# Altium PCB LimeKEY-RPCM_1v1.PcbDoc (part 4 of 8) (continued)
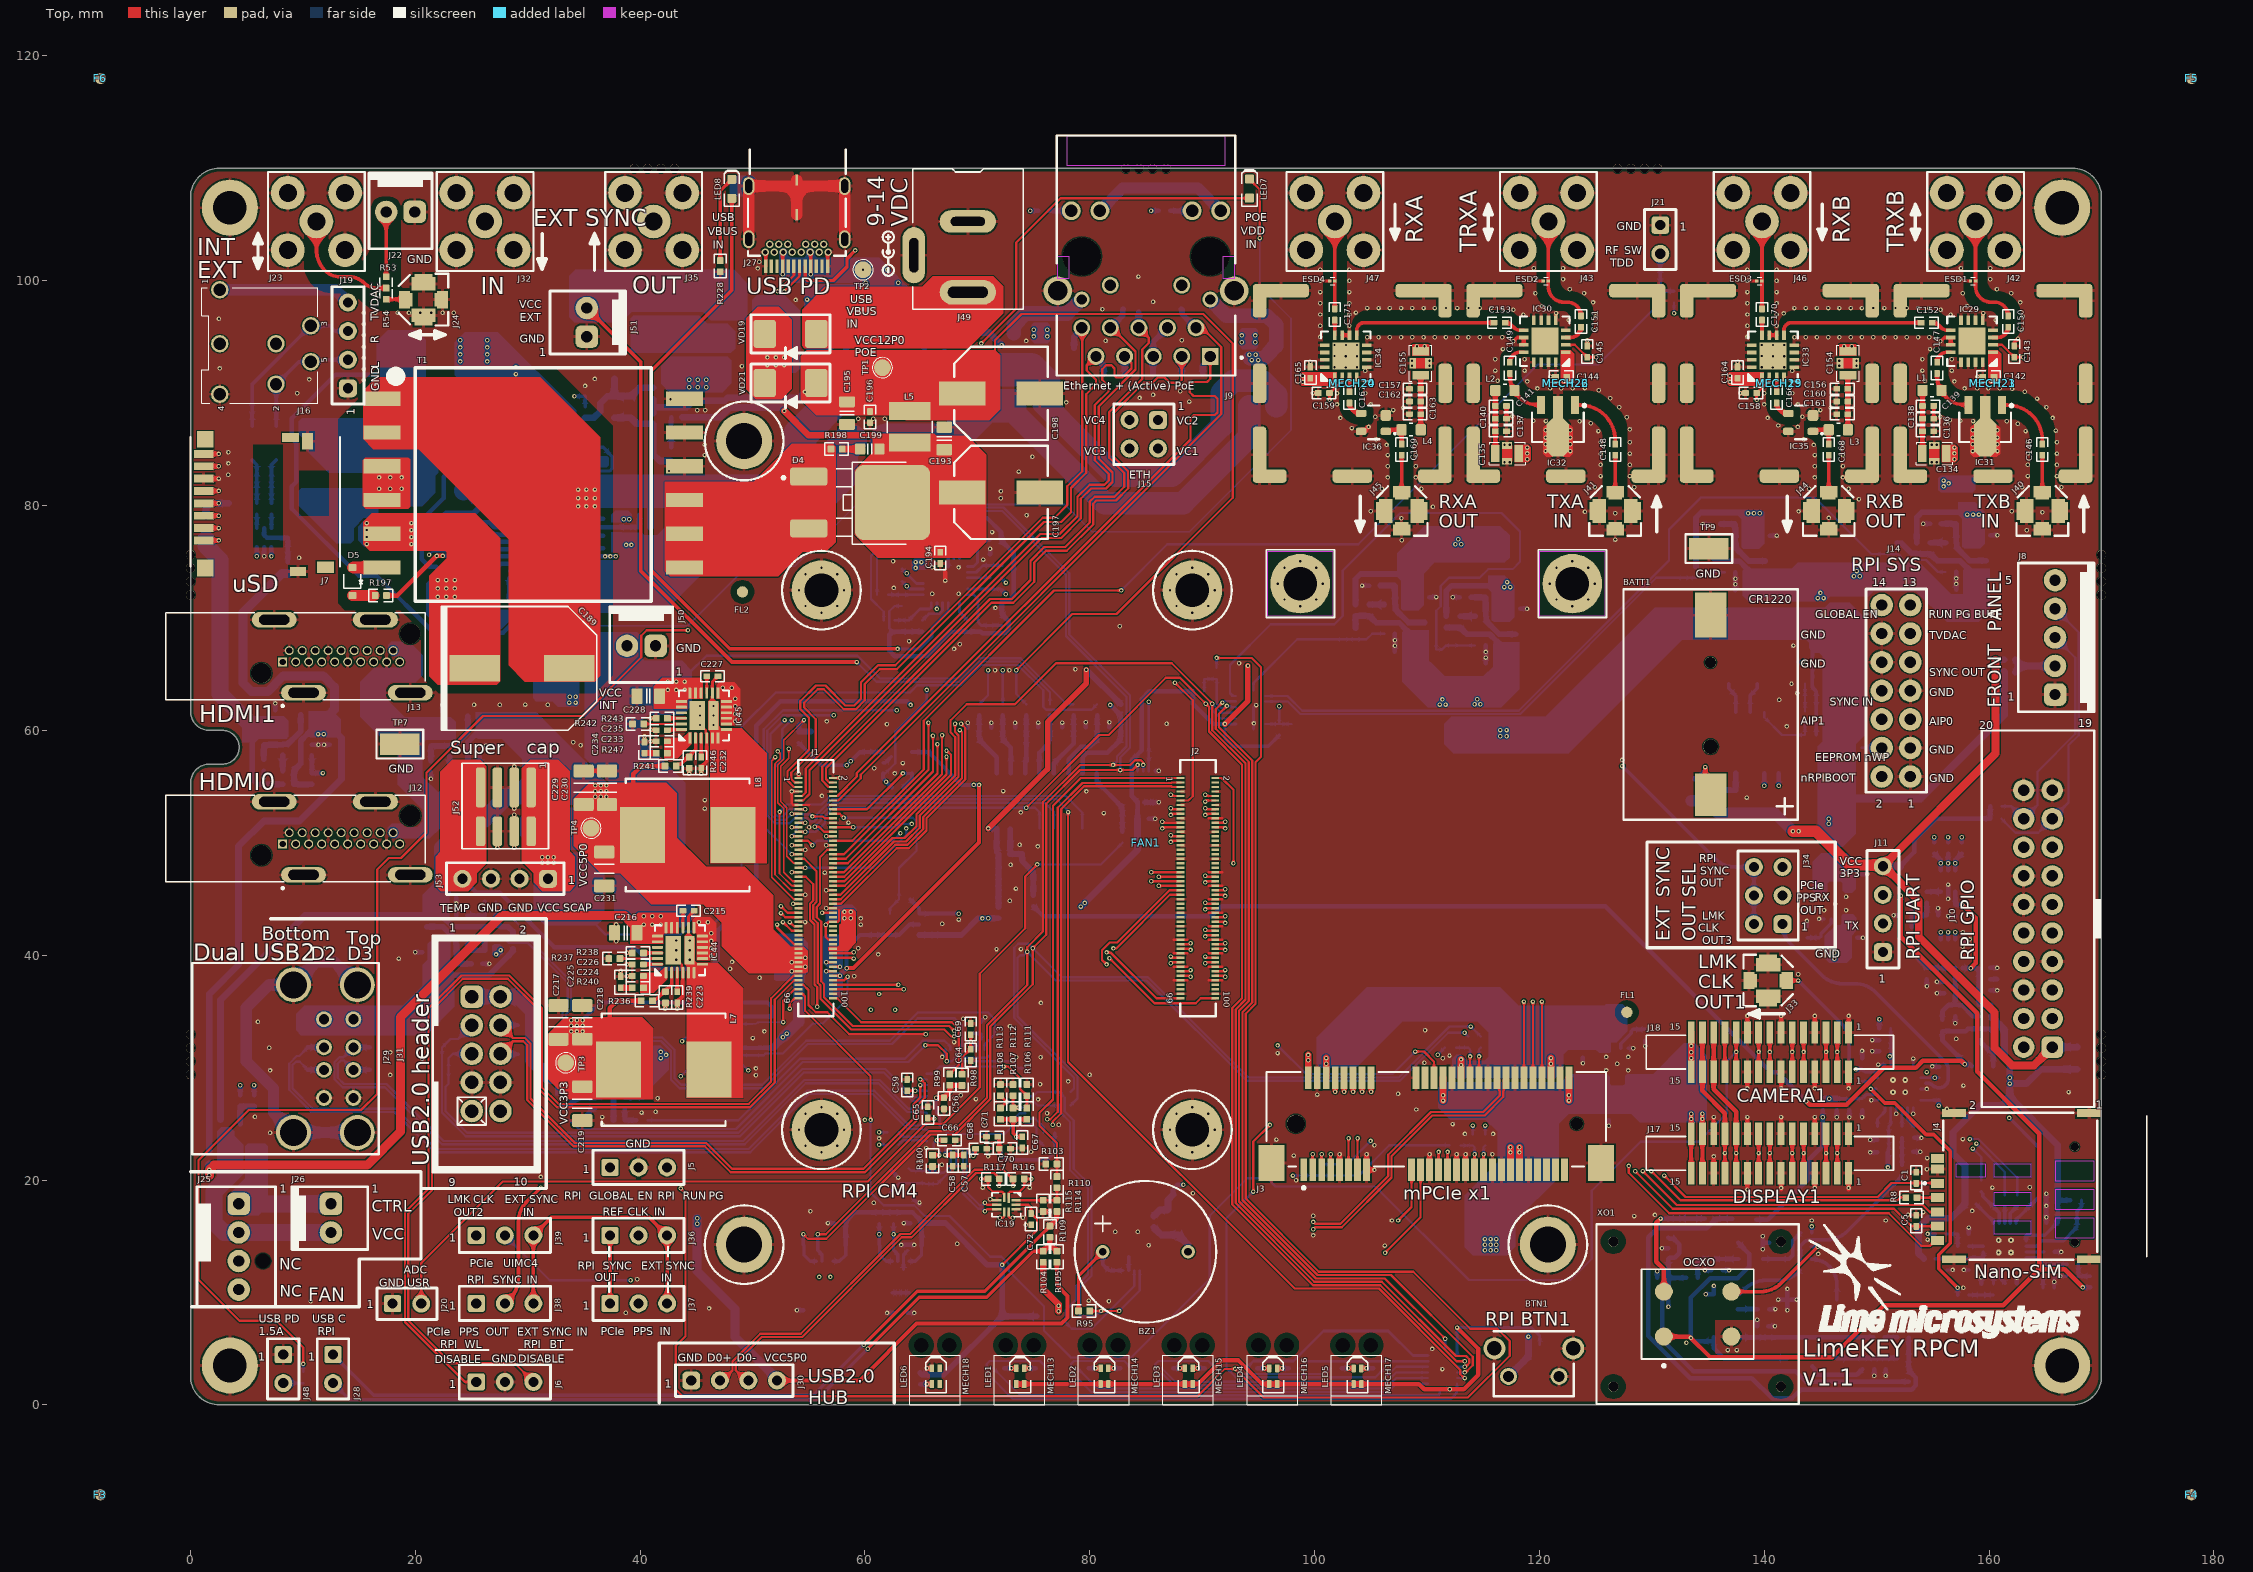
[diagram p0: Top view]
## Nets (pads, with @x,y where several pads share a name; then routed paths per layer and width w, separated by ;. In a path a pad name is that pad's centre, name@x,y a point inside that pad or via, vN(x,y) a via of type N, cw(c..) or ccw(c..) an arc to the next point about the centre after c; other vN are vias at no path point) (continued)
  L4 w0.1: v1(52.225,99.05) 52.225,99.041 52.425,98.841 52.425,96.75 53.55,95.625 53.55,88.167 52.55,87.167 52.55,64.175 46.8,58.425 37.492,58.425 34.475,55.408 34.475,40.5 30.15,36.175 30.15,19.125 31,18.275 31.8,18.275 36.2,13.875 44.558,13.875 49.408,18.725 71.6,18.725 72.475,17.85 72.475,17.125 v1(72,16.65)
EXT_USB_D_P: IC19.7 J27.A6 J27.B6 | length 153
  Top w0.2: v1(52.825,99.05) 54.175,100.4 J27.A6@54.175,101.295 ; IC19.7@72.775,17.15 72.785,17.14 72.785,16.74 72.875,16.65 v1(73.15,16.65)
  L3 w0.2: v1(52.825,99.05) 52.6,99.275 52.6,99.75 52.806,99.956 53.756,99.956 53.975,100.175 53.975,101.25 53.775,101.45 53.35,101.45 53.15,101.65 53.15,102.17 J27.B6@53.525,102.545
  L4 w0.1: v1(52.825,99.05) 52.825,99.041 52.625,98.841 52.625,96.833 53.75,95.708 53.75,88.084 52.75,87.084 52.75,64.092 46.883,58.225 37.575,58.225 34.675,55.325 34.675,40.417 30.35,36.092 30.35,19.208 31.083,18.475 31.883,18.475 36.283,14.075 44.475,14.075 49.325,18.925 71.4,18.925 71.683,18.925 72.675,17.933 72.675,17.125 v1(73.15,16.65)
FAN_CTRL: IC15.7 R70.2 R73.1 R75.1 | length 175
  L3 w0.1: v1(5.65,28.425) 2.8,31.275 2.8,53.9 5.75,56.85 5.75,59.875 1.975,63.65 1.975,76.883 1.425,77.433 1.425,84.4 2.425,85.4 3.675,85.4 14.45,74.625 16.892,74.625 22.442,69.075 41.967,69.075 44.767,66.275 46.17,66.275 49.55,62.895 49.55,61.325 51.85,59.025 55.758,59.025 59.508,62.775 83.925,62.775 84.525,62.175 88.95,62.175 89.6,62.825 96.175,62.825 v1(96.85,62.15)
  Bottom w0.2: IC15.7@95.614,60.57 R70.2@96.85,60.57 ; v1(96.85,62.15) R70.2@96.85,60.57 ; R75.1@97.95,60.575 97.945,60.57 R70.2@96.85,60.57
  Bottom w0.4: R73.1@5.65,27.55 v1(5.65,28.425)
GND: BATT1.NEGATIVE BTN1.2 BTN1.Shield C1.1 C2.1 C3.1 C4.1 C5.1 C6.1 C7.2 C8.2 C9.2 C10.2 C11.1 C12.2 C13.2 C14.2 C15.2 C16.2 C17.2 C18.2 C20.2 C21.2 C23.2 C24.1 C26.1 C27.2 C28.2 C29.2 C30.2 C31.2 C33.1 C34.2 C35.1 C36.2 C37.2 C38.2 C39.1 C40.1 C41.2 C42.2 C43.2 C44.2 C45.2 C46.2 C47.2 C49.2 C50.1 C51.2 C52.2 C53.1 C55.2 C56.1 C57.1 C58.2 C59.2 C60.1 C61.1 C62.1 C63.2 C64.1 C65.2 C66.2 C67.2 C68.2 C69.2 C70.2 C71.1 C72.2 C73.2 C74.2 C75.2 C76.1 C78.1 C79.2 C80.1 C81.2 C82.1 C84.1 C85.1 C86.2 C89.1 C90.1 C91.1 C92.1 C93.1 C94.1 C95.1 C96.1 C97.1 C98.1 C99.1 C100.1 C101.1 C102.1 C103.1 C104.1 C105.1 C106.1 C107.1 C108.1 C109.1 C110.1 C111.2 C112.2 C115.1 C116.2 C117.2 C118.1 C119.2 C120.2 C121.1 C122.2 C123.2 C126.1 C127.2 C128.1 C130.1 C131.2 C132.2 C133.2 C134.2 C135.2 C136.1 C137.1 C138.2 C139.1 C140.2 C141.1 C142.2 C143.1 C144.2 C145.1 C154.2 C155.2 C156.1 C157.1 C158.2 C159.2 C160.2 C161.1 C162.2 C163.1 C164.2 C165.2 C172.2 C173.2 C174.2 C175.2 C176.2 C177.2 C178.2 C179.2 C184.1 C185.1 C186.2 C187.2 C193.1 C194.2 C195.1 C196.2 C197.2 C198.2 C203.1 C207.1 C208.1 C209.1 C210.1 C211.2 C212.2 C213.2 C214.2 C216.1 C217.1 C218.1 C219.1 C220.1 C221.2 C222.2 C223.2 C224.2 C225.2 C226.2 C228.1 C229.1 C230.1 C231.1 C232.2 C233.2 C234.2 C235.1 C236.1 C237.1 C238.1 C239.1 C240.1 C241.1 D8.5 D8.6 ESD1.2 ESD2.2 ESD3.2 ESD4.2 FAN1.1 IC1.2 IC2.3 IC3.2 IC3.5 IC4.3 IC5.2 IC6.2 IC7.2 IC8.9 IC8.14 IC9.4 IC9.5 IC9.6 IC9.7 IC10.1 IC10.2 IC10.3 IC10.4 IC10.7 IC11.1 IC11.2 IC11.3 IC11.4 IC11.7 IC11.PAD IC12.8 IC12.PAD IC13.4 IC14.4 IC15.8 IC15.PAD IC16.4 IC17.3 IC18.19 IC18.PAD IC19.3 IC19.8 IC20.1 IC20.2 IC20.3 IC20.4 IC20.7 IC21.1 IC21.2 IC21.3 IC21.4 IC21.7 IC21.PAD IC22.2 IC23.2 IC24.1 IC24.7 IC24.11 IC24.12 IC24.16 IC24.19 IC24.22 IC24.25 IC25.2 IC26.8 IC27.1 IC27.2 IC27.3 IC27.9 IC27.10 IC27.21 IC28.5 IC29.4 IC29.5 IC29.6 IC29.7 IC29.8 IC29.10 IC29.11 IC29.13 IC29.14 IC29.15 IC29.16 IC30.4 IC30.5 IC30.6 IC30.7 IC30.8 IC30.10 IC30.11 IC30.13 IC30.14 IC30.15 IC30.16 IC31.2 IC31.4 IC32.2 IC32.4 IC33.4 IC33.5 IC33.6 IC33.7 IC33.8 IC33.10 IC33.11 IC33.13 IC33.14 IC33.15 IC33.16 IC34.4 IC34.5 IC34.6 IC34.7 IC34.8 IC34.10 IC34.11 IC34.13 IC34.14 IC34.15 IC34.16 IC35.2 IC35.4 IC36.2 IC36.4 IC37.2 IC38.2 IC39.2 IC40.2 IC43.19 IC43.22 IC43.25 IC44.4 IC44.8 IC44.9 IC44.10 IC44.11 IC44.12 IC44.13 IC44.25 IC45.4 IC45.8 IC45.9 IC45.10 IC45.11 IC45.12 IC45.13 IC45.25 IC46.4 IC46.9 IC47.3 IC48.4 IC48.9 J1.1 J1.2 J1.7 J1.8 J1.13 J1.14 J1.22 J1.23 J1.32 J1.33 J1.42 J1.43 J1.52 J1.53 J1.59 J1.60 J1.65 J1.66 J1.71 J1.74 J1.98 J2.7 J2.8 J2.13 J2.14 J2.19 J2.20 J2.25 J2.26 J2.31 J2.32 J2.37 J2.38 J2.44 J2.50 J2.55 J2.56 J2.61 J2.62 J2.67 J2.68 J2.73 J2.74 J2.79 J2.80 J2.85 J2.86 J2.91 J2.92 J2.97 J2.98 J3.4 J3.9 J3.15 J3.18 J3.21 J3.26 J3.27 J3.29 J3.34 J3.35 J3.37 J3.40 J3.43 J3.50 J3.53 J3.54 J4.C5 J4.G1 J4.G2 J4.G3 J4.G4 J5.2 J6.2 J7.6 J7.12 J7.13 J8.1 J9.S1 J9.S2 J10.6 J10.7 J10.12 J10.14 J10.19 J10.20 J11.1 J12.2 J12.5 J12.8 J12.11 J12.17 J12.S1 J12.S2 J12.S3 J12.S4 J13.2 J13.5 J13.8 J13.11 J13.17 J13.S1 J13.S2 J13.S3 J13.S4 J14.1 J14.3 J14.7 J14.10 J14.12 J16.4 J17.1 J17.4 J17.7 J17.10 J17.13 J18.1 J18.4 J18.7 J18.10 J19.1 J20.1 J21.1 J22.1 J23.2 J24.2 J27.A1 J27.A12 J27.B1 J27.B12 J27.GND J27.GND1 J27.Shell J29.B4 J29.SHIELD J29.T4 J30.1 J31.7 J31.8 J32.2 J33.2 J35.2 J40.2 J41.2 J42.2 J43.2 J44.2 J45.2 J46.2 J47.2 J48.1 J49.2 J49.3 J50.1 J51.1 J52.2 J52.3 J53.2 J53.3 LED6.3 MECH19.1 MECH20.1 MECH21.1 MECH22.1 MECH30.MH1 MECH31.MH1 MECH32.MH1 MECH33.MH1 pad.1 R25.1 R28.1 R30.1 R31.2 R32.2 R33.1 R39.1 R43.2 R50.2 R51.2 R52.2 R61.1 R62.1 R63.1 R64.1 R65.1 R66.1 R72.1 R75.2 R85.2 R93.2 R100.2 R103.2 R111.1 R112.2 R113.1 R115.2 R124.1 R130.1 R136.1 R150.1 R156.1 R158.2 R159.2 R160.2 R161.1 R166.2 R184.2 R185.2 R186.2 R187.2 R192.1 R193.1 R194.1 R195.1 R211.2 R223.2 R225.1 R226.1 R227.1 R228.2 R237.2 R238.2 R239.1 R242.2 R243.2 R246.1 R251.2 R252.2 R254.2 T1.10 T1.11 T1.12 TP7.1 TP8.1 TP9.1 TP10.1 VD1.K VD2.K VD3.K VD4.K VD5.K VD6.K VD7.K VD8.K VD10.K VD11.K VD12.K VD13.K VD14.K VD15.K VD16.K VD17.K VD22.A VT1.S VT2.S XO1.2 XO2.2 XO3.2 XO4.4 XO5.2 XT2.2 XT2.4 | length 316.4
  Top w0.15: 57.69,43.065 57.69,44.025
  Top w0.2: IC44.25@42.95,40.45 43.075,40.325 43.55,39.85 43.55,39.3 43.7,39.15 43.7,38.925 IC44.4@43.8,38.825 ; IC45.25@45.075,61.325 45.2,61.2 45.675,60.725 45.675,60.175 45.825,60.025 45.825,59.8 IC45.4@45.925,59.7 ; v1(53.475,47.375) J1.43@54.085,47.375 ; v1(53.475,51.375) J1.23@54.085,51.375 ; J1.53@54.085,45.375 v1(54.695,45.375) ; J1.33@54.085,49.375 v1(54.695,49.375) ; J1.7@54.085,54.575 v1(53.475,54.575) 53.475,53.525 53.625,53.375 55.075,53.375 ; J1.1@54.085,55.775 54.1,55.775 v1(54.1,56.125) ; v1(56.555,44.175) J1.60@57.165,44.175 ; v1(56.555,45.775) J1.52@57.165,45.775 ; v1(56.555,49.775) J1.32@57.165,49.775 ; J1.74@57.165,41.375 56.75,41.375 56.5,41.625 v1(56.5,42.7) 56.775,42.975 57.575,42.975 57.665,43.065 ; J1.2@57.165,55.775 v1(57.775,55.775) ; v1(71.15,18.3) 71.25,18.2 IC19.3@71.725,18.2 ; 87.475,37.775 88.695,37.775 ; 87.475,38.975 88.695,38.975 ; 87.475,40.175 88.695,40.175 ; 87.475,41.375 88.695,41.375 ; 90.555,37.775 91.775,37.775 ; 90.555,38.975 91.775,38.975 ; 90.555,40.175 91.775,40.175 ; 90.555,41.375 91.775,41.375 ; 90.555,42.575 91.775,42.575 ; 90.555,43.775 91.775,43.775 ; 90.555,44.975 J2.56@91.165,44.975 91.775,44.975 ; 90.555,46.175 91.775,46.175 ; 90.555,47.375 91.775,47.375 ; 90.555,52.175 91.775,52.175
  Top w0.25: C138.2@155.075,87.738 C139.1@155.075,88.862
  Top w0.3: C229.1@34.975,56.4 C230.1@37.05,56.4 ; J27.A12@51.175,101.295 J27.B1@51.175,102.495 ; J27.A1@56.675,101.295 J27.B12@56.675,102.495 ; v1@100.5,100.125 100.65,99.975 ESD4.2@101.35,99.975 ; IC34.11@102.45,95.165 IC34.10@103.1,95.165 ; v1(109,82.5) 109.7,82.5 MECH20.1@109.85,82.35 ; C140.2@117.075,87.738 C141.1@117.075,88.862 ; v1(117.675,94.625) 118,94.95 IC30.10@118.6,94.95 IC30.11@118.6,94.3 ; v1(119.5,100.125) 119.65,99.975 ESD2.2@120.35,99.975 ; IC30.5@121.45,96.5 v1@121.45,97.15 ; C145.1@124.25,94.2 v1(124.25,94.7) ; v1(128.04,82.625) 128.74,82.625 MECH22.1@128.89,82.475 ; v1@138.5,100.125 138.65,99.975 ESD3.2@139.35,99.975 ; IC33.11@140.45,95.165 IC33.10@141.1,95.165 ; v1(147,82.5) 147.7,82.5 MECH19.1@147.85,82.35 ; v1(155.675,94.625) 156,94.95 IC29.10@156.6,94.95 IC29.11@156.6,94.3 ; v1(157.5,100.125) 157.65,99.975 ESD1.2@158.35,99.975 ; IC29.5@159.45,96.5 v1@159.45,97.125 ; C143.1@162.25,94.2 162.25,94.525 v1(162.575,94.85) ; v1(54.125,24.475) 54.418,25.182 v1(54.711,25.889) 55.418,26.182 v1(56.125,26.475) 56.832,26.182 v1(57.539,25.889) 57.832,25.182 v1(58.125,24.475) 57.832,23.768 v1(57.539,23.061) 56.832,22.768 v1(56.125,22.475) 55.418,22.768 v1(54.711,23.061) 54.418,23.768 v1(54.125,24.475) ; v1(54.125,72.475) 54.418,73.182 v1(54.711,73.889) 55.418,74.182 v1(56.125,74.475) 56.832,74.182 v1(57.539,73.889) 57.832,73.182 v1(58.125,72.475) 57.832,71.768 v1(57.539,71.061) 56.832,70.768 v1(56.125,70.475) 55.418,70.768 v1(54.711,71.061) 54.418,71.768 v1(54.125,72.475) ; v1(87.125,24.475) 87.418,23.768 v1(87.711,23.061) 88.418,22.768 v1(89.125,22.475) 89.832,22.768 v1(90.539,23.061) 90.832,23.768 v1(91.125,24.475) 90.832,25.182 v1(90.539,25.889) 89.832,26.182 v1(89.125,26.475) 88.418,26.182 v1(87.711,25.889) 87.418,25.182 v1(87.125,24.475) ; v1(87.125,72.475) 87.418,73.182 v1(87.711,73.889) 88.418,74.182 v1(89.125,74.475) 89.832,74.182 v1(90.539,73.889) 90.832,73.182 v1(91.125,72.475) 90.832,71.768 v1(90.539,71.061) 89.832,70.768 v1(89.125,70.475) 88.418,70.768 v1(87.711,71.061) 87.418,71.768 v1(87.125,72.475)
  Top w0.309: C223.2@43.3,35.75 43.3,35.869 43.804,36.374 IC44.4@43.804,38.825 ; C232.2@45.425,56.625 45.425,56.744 45.93,57.249 IC45.4@45.93,59.7
  Top w0.325: J17.13@135.5,20.625 v1(135.5,22.1) ; J17.13@135.5,24.125 v1(135.5,25.6) ; v1(138.5,19.15) J17.10@138.5,20.625 ; J17.10@138.5,24.125 v1(138.5,25.6) ; v1(138.5,28.15) J18.10@138.5,29.625 ; J18.10@138.5,33.125 v1(138.5,34.6) ; v1@141.5,19.15 J17.7@141.5,20.625 ; J17.7@141.5,24.125 v1(141.5,25.6) ; v1(141.5,28.15) J18.7@141.5,29.625 ; J18.7@141.5,33.125 v1(141.5,34.6) ; v1@144.5,19.15 J17.4@144.5,20.625 ; J17.4@144.5,24.125 v1(144.5,25.6) ; v1(144.5,28.15) J18.4@144.5,29.625 ; J18.4@144.5,33.125 v1(144.5,34.6) ; v1@147.5,19.15 J17.1@147.5,20.625 ; v1(147.5,28.15) J18.1@147.5,29.625 ; J18.1@147.5,33.125 v1(147.5,34.6)
  Top w0.4: J7.6@1.18,82.4 v1(2.5,82.4) ; v1(27.3,49.55) J52.3@27.3,51.025 ; v1(28.8,49.55) J52.2@28.8,51.025 v1(28.8,52.5) ; v1(28.8,53.05) J52.2@28.8,54.925 v1(28.8,56.8) ; v1(37.862,41.24) v1(37.862,42.74) ; C225.2@38.261,38.1 v1(38.261,38.6) ; v1(38.8,38.15) C224.2@39.3,38.15 ; v1(38.8,39.175) C226.2@39.3,39.175 ; v1(38.8,40.225) R238.2@39.3,40.225 ; C234.2@40.386,58.975 v1(40.386,59.475) ; v1(40.925,59.025) C233.2@41.425,59.025 ; v1(40.925,60.05) C235.1@41.425,60.05 ; v1(40.925,61.1) R243.2@41.425,61.1 ; v1(42.25,35.25) R239.1@42.25,35.75 ; v1(43.3,35.25) C223.2@43.3,35.75 ; v1(44.375,56.125) R246.1@44.375,56.625 ; v1(45.425,56.125) C232.2@45.425,56.625 ; v1(65.51,3.253) LED6.3@65.96,3.253 ; v1(67.15,73.325) 67.15,74.05 ; R115.2@75.85,17.2 75.875,17.175 v1(76.425,17.175) ; C165.2@99.625,92.325 v1(99.625,92.8) ; v1(99.85,90.015) C159.2@100.325,90.015 ; J3.9@102.225,20.9 v1(102.225,22.3) ; IC36.4@104.14,86.75 104.55,86.75 v1(104.8,87) ; v1(104.625,22.3) J3.15@104.625,20.9 v1(105.325,20.9) ; J3.21@110.225,20.9 v1(110.225,22.3) ; J3.27@112.625,20.9 v1(112.625,22.3) ; J3.29@113.425,20.9 v1(113.425,22.3) ; v1(120.965,91.475) C144.2@121.44,91.475 ; C164.2@137.625,92.325 v1(137.625,92.8) ; v1(137.85,90.015) C158.2@138.325,90.015 ; v1(158.965,91.475) C142.2@159.44,91.475
  Top w1: J27.Shell@49.655,103.695 49.655,105.575 49.655,106.65 J27.Shell@49.655,108.425 ; J27.Shell@53.925,105.875 53.925,108.425 ; J27.Shell@53.925,108.975 53.925,108.425 ; J27.Shell@58.195,103.695 J27.Shell@58.195,108.425 ; J27.Shell@49.655,108.425 J27.Shell@58.195,108.425 ; J27.Shell@49.655,108.425 53.925,108.425 ; 53.925,108.425 J27.Shell@58.195,108.425
  Bottom w0.25: IC15.8@94.564,60.12 94.564,62.014 v1(94.8,62.25) ; v1@149.54,27.1 IC24.1@150.075,27.1 ; v1@150.215,30.275 IC24.7@150.75,30.275 ; v1@151.75,25.89 IC24.22@151.75,26.425 ; v1(153.249,25.889) IC24.19@153.25,26.425 ; IC24.12@153.25,30.275 v1@153.25,30.81 ; IC24.16@153.925,28.1 v1@154.46,28.1
  Bottom w0.3: v1(34.15,89.725) D8.6@35.1,89.725 D8.5@35.1,88.775 ; IC3.5@61.6,57.125 61.8,57.125 61.95,57.275 61.95,57.25 62.35,57.65 ; XT2.4@62.282,20.893 v1(62.95,20.225) ; IC11.4@62.425,9.975 IC11.1@63.925,9.975 ; IC11.PAD@63.425,12.059 63.425,13.349 IC10.7@63.81,13.734 ; XT2.2@64.225,18.4 64.893,17.732 ; IC43.25@65.9,74.575 IC43.19@65.9,75.291 ; v1(66.875,30.95) 67.125,31.2 IC18.19@67.125,31.575 ; IC43.25@67.4,74.575 IC43.22@67.4,75.291 ; C62.1@70.35,34.025 70.35,34.125 v1(70.7,34.475) ; IC21.7@83.45,11.95 IC21.PAD@83.45,13.175 ; IC48.4@127.9,31.725 v1(128.35,31.725) ; v1(144.875,43.225) IC46.4@145.325,43.225 ; C110.1@156.25,12 v1(156.75,12) ; v1(157.75,12) C111.2@158.25,12 ; C130.1@165.776,11.45 v1(166.325,11.45) C128.1@166.874,11.45 ; R161.1@165.799,10.4 v1(165.8,10.95) C130.1@165.799,11.498
  Bottom w0.4: v1(6.51,55.796) R25.1@6.51,56.423 ; v1(6.55,75.5) IC6.2@6.55,76.275 ; C18.2@7.535,61.773 v1(7.535,62.4) ; IC5.2@10.8,58.725 C17.2@12.385,58.725 ; v1(19.983,40.265) C75.2@20.61,40.265 ; v1(21.385,55.696) R39.1@21.385,56.323 ; C29.2@22.41,61.673 v1(22.41,62.3) ; IC22.2@23.658,43.53 C74.2@23.658,45.115 ; IC7.2@25.675,58.625 C28.2@27.26,58.625 ; R124.1@25.96,39.24 v1(26.587,39.24) ; IC23.2@38.625,27.337 C79.2@40.21,27.337 ; v1(53.945,8.425) IC13.4@54.52,8.425 ; v1(56.7,16.175) C49.2@57.275,16.175 ; v1(61.965,8.175) IC10.3@62.54,8.175 ; v1(63.235,14.225) IC10.7@63.81,14.225 v1(64.385,14.225) ; v1(63.45,16.175) C41.2@64.025,16.175 ; IC10.2@63.81,8.175 v1(64.385,8.175) ; v1(69.15,60.675) R61.1@69.151,60.235 R61.1@69.151,60.235 ; R225.1@71.116,75.67 71.125,75.679 v1(71.125,76.15) ; R62.1@71.251,60.235 v1(71.25,60.675) ; R63.1@73.35,60.236 v1(73.35,60.675) ; R64.1@75.425,60.261 v1(75.425,60.7) ; R65.1@77.55,60.261 v1(77.55,60.7) ; R66.1@79.65,60.286 v1(79.65,60.725) ; R51.2@81.75,60.286 v1(81.75,60.725) ; IC9.7@84.85,53.6 v1(86.125,53.6) ; C34.2@85.25,52.149 v1(85.825,52.149) ; IC9.4@85.85,56.4 v1(86.125,56.4) ; v1(104.221,72.89) R195.1@104.848,72.89 ; C175.2@107.15,67.015 IC40.2@107.15,68.6 ; C179.2@110.198,71.865 v1(110.825,71.865) ; v1(112.298,71.85) R194.1@112.925,71.85 ; C174.2@115.227,65.975 IC39.2@115.227,67.56 ; C178.2@118.275,70.825 v1(118.902,70.825) ; v1(123.875,30.4) C241.1@123.875,30.9 ; v1(126.175,24.825) C240.1@126.175,25.325 ; v1(129.425,31.9) R254.2@129.425,32.4 ; C105.1@130.475,11.3 v1(130.475,11.875) ; v1(130.9,13.925) IC25.2@131.475,13.925 ; v1(131.475,8.725) C107.1@131.475,9.3 ; v1(134.508,78.363) R193.1@135.135,78.363 ; v1(134.725,11.975) C108.1@135.3,11.975 ; v1(134.8,9.85) XO4.4@135.525,9.85 v1(135.525,10.575) ; C106.1@136.3,11.975 v1(136.875,11.975) ; C173.2@137.437,72.488 IC38.2@137.437,74.072 ; C97.1@139.375,7 v1(139.375,7.575) ; v1(139.875,13.85) XO5.2@139.875,14.425 ; v1(139.875,15) XO5.2@139.875,14.425 ; C96.1@140.375,7 v1(140.95,7) ; C98.1@140.425,8.525 v1(141,8.525) ; 140.45,14.425 XO5.2@139.875,14.425 ; C177.2@140.485,77.338 v1(141.112,77.338) ; v1(141.239,9.365) XO2.2@142.064,9.365 ; v1(142.064,8.415) XO2.2@142.064,9.365 ; v1(142.064,10.315) XO2.2@142.064,9.365 ; v1(142.889,9.365) XO2.2@142.064,9.365 ; R252.2@143.8,42.55 v1(143.8,43.05) ; v1(146.449,25.589) C99.1@146.45,26.225 ; v1(147.574,25.589) C100.1@147.575,26.225 ; C238.1@148.275,41.55 v1(148.775,41.55) ; C237.1@148.65,47.225 v1(149.15,47.225) ; v1(148.699,25.589) C102.1@148.7,26.225 ; C104.1@148.7,30.85 v1(148.701,31.486) ; v1(149.439,22.451) C93.1@150.075,22.45 ; v1(149.439,23.576) C94.1@150.075,23.575 ; v1@149.614,31.45 C95.1@150.25,31.45 ; v1(149.614,32.451) C92.1@150.25,32.45 ; v1(149.79,2.59) C90.1@149.79,3.165 ; v1(150.79,2.59) C91.1@150.79,3.165 ; v1(151.504,43.55) C118.1@152.14,43.549 ; R136.1@153.25,22.525 v1(153.886,22.524) ; C89.1@153.35,23.75 v1@153.986,23.75 ; v1(154.146,78.39) R192.1@154.773,78.39 ; v1(154.473,37.239) C122.2@154.474,37.874 ; v1(154.939,30.101) C101.1@155.575,30.1 ; v1@155.363,36.624 C126.1@155.999,36.624 ; v1(155.364,37.63) C127.2@155.999,37.63 ; R166.2@155.465,43.549 v1(155.464,44.185) ; v1(156.348,45.014) IC28.5@156.349,45.649 v1(156.348,46.285) ; v1@156.366,43.488 C133.2@157.001,43.488 ; v1(156.999,33.939) R158.2@156.999,34.575 ; C172.2@157.075,72.515 IC37.2@157.075,74.1 ; v1(157.648,40.764) IC26.8@157.649,41.399 ; v1(157.649,42.035) IC26.8@157.649,41.399 ; R156.1@158.2,15.2 v1(158.2,15.775) ; v1(158.284,41.399) IC26.8@157.649,41.399 ; R150.1@159.3,10.775 v1(159.3,11.35) ; C115.1@160.098,36.864 v1(160.734,36.864) ; C116.2@160.098,37.864 160.734,37.864 ; C117.2@160.098,38.864 v1(160.734,38.864) ; C176.2@160.123,77.365 v1(160.75,77.365) ; C131.2@162.45,10.825 v1(162.45,11.3) ; C119.2@165.1,16.2 C109.1@165.1,18.2 v1(165.1,18.775) ; R160.2@165.849,13.6 v1(166.424,13.6)
  Bottom w1: J29.SHIELD@14.84,24.23 J29.SHIELD@9.16,24.23 7.375,26.015 7.375,28.15 4.95,30.575 4.95,35.325 6.995,37.37 J29.SHIELD@9.16,37.37 11.19,39.4 12.81,39.4 J29.SHIELD@14.84,37.37
  other v1: 111.375,3.184 136.75,4.875 137.55,4.875 110.475,4.975 133.075,5.525 30.15,5.6 38.725,8.2 46.125,8.575 10.675,9.2 81.7,9.225 79.9,9.275 157.725,10.425 39.75,11.175 144.8,13.425 106.25,14.175 85.225,14.2 68.2,14.325 154.525,14.7 99.875,15.075 82.275,15.4 84.275,15.4 74.3,16 106.875,16.4 144.225,16.4 150.8,16.4 74.05,16.65 165.1,16.7 128.425,16.8 99.875,16.825 130.275,16.9 152.8,16.925 154.15,17.15 55.15,17.225 158.5,17.25 165.1,17.7 60.775,17.975 64.85,18 89.175,18.825 141.5,19.3 144.5,19.3 147.5,19.3 74.65,19.325 160.3,19.325 70.475,19.331 163.625,19.35 98.35,19.975 31.15,20.275 154.475,20.95 66.825,21.35 65,21.675 154.5,21.95 70.95,22.1 98.15,22.175 115.825,22.3 74.775,22.525 65.45,22.85 105.325,23.1 96.6,23.6 157.65,23.65 61.25,23.7 153.986,23.749 113.375,24.1 115.875,24.1 7.075,24.2 77.238,24.922 36.625,24.95 112.275,24.975 70.65,25.15 36.625,25.6 5.725,25.625 151.749,25.889 76.2,25.95 40.125,26 41.375,26.075 109.05,26.275 156.25,26.325 149.539,27.101 75.4,27.175 69.875,27.2 41.55,27.275 68.525,27.55 100.225,27.6 107.425,27.675 167.075,27.825 154.461,28.101 157.725,28.4 75.575,28.525 78.075,28.775 50.3,29.325 17.775,29.35 79.975,29.375 7.075,29.75 125.95,29.75 127.9,29.75 50.3,29.925 150.139,30.274 126.925,30.35 109.775,30.425 20.6,30.775 111.4,30.825 153.249,30.811 73.475,30.925 75.625,30.925 125.95,30.95 127.9,30.95 112,31.075 96.7,31.3 17.775,31.35 149.614,31.451 7,31.775 67.925,32.275 157.075,32.575 50.025,32.625 51.05,33.225 109.825,33.325 72.9,33.7 6,34.075 68.75,34.35 75.65,35.75 155.363,36.625 50.625,38 59.05,38.125 143.025,38.3 48,38.8 48.175,39.4 18.525,39.7 46.325,39.925 61.175,40.075 71.7,40.55 73.875,40.55 11.975,40.6 46.325,40.6 59.4,40.625 46.325,41.275 46.325,41.95 59.625,42.725 66.875,42.8 45.225,42.925 46.025,42.925 54.675,42.95 68.35,43.175 59.625,43.275 156.366,43.487 145.325,44 147.275,44 23.658,44.105 146.3,44.6 23.658,44.605 72.875,44.85 145.325,45.2 147.275,45.2 73.425,45.925 56.425,47.35 72.95,48.05 75.375,49.675 73.75,49.825 55.025,51.375 58.525,51.8 81.25,52.65 73.85,52.7 45.75,53.05 45.75,53.8 138.45,54.025 56.175,54.175 79.7,54.575 72.3,54.6 62.65,56.175 60.825,56.625 63.35,57.1 127.375,57.375 26.25,58.625 26.75,58.625 34.7,58.675 11.375,58.725 11.875,58.725 34.05,58.95 142,60.35 61.95,60.55 86.825,60.6 94.6,60.625 48.45,60.8 56.6,60.8 48.45,61.475 48.45,62.15 25.225,62.275 27.5,62.275 31.775,62.275 29.775,62.3 141.325,62.725 48.45,62.825 142.95,63.3 47.35,63.8 48.15,63.8 142.425,64.15 71.575,65.35 72.85,65.35 78.725,65.45 93.275,65.975 115.227,66.485 115.227,66.985 67.925,67.25 107.15,67.525 142.6,67.55 68.425,67.675 63.925,67.925 107.15,68.025 82.675,69.275 71.6,70.9 65.975,72.15 68.325,72.15 62.55,72.675 137.437,72.998 157.075,73.025 137.437,73.498 157.075,73.525 65.975,74.5 68.325,74.5 62.5,75.05 70.525,75.2 9.65,75.35 107.75,76.925 126.75,76.975 71.3,77.65 163.35,77.8 107.725,78.875 145.75,78.9 74.375,79.15 126.75,79.325 164.75,79.4 124.05,79.45 143.05,79.475 105,79.5 162.025,79.5 110.525,79.9 148.425,80.575 72.075,80.65 72.1,81.275 106,81.5 109.5,81.5 144,81.5 147.5,81.5 124.94,81.625 128.44,81.625 162.94,81.625 166.44,81.625 106.5,82.5 144.5,82.5 125.44,82.625 163.44,82.625 166.04,82.625 3.35,82.75 73.675,83.025 42.575,83.075 106.5,83.5 109,83.5 144.5,83.5 147,83.5 125.44,83.625 128.04,83.625 163.44,83.625 166.04,83.625 3.375,83.75 116.9,83.862 117.35,83.862 154.9,83.862 155.35,83.862 74.9,84.35 45.725,84.5 106.5,84.5 109,84.5 144.5,84.5 147,84.5 125.44,84.625 128.04,84.625 163.44,84.625 166.04,84.625 3.375,84.75 120.55,84.85 122.75,84.85 158.55,84.85 160.75,84.85 106.4,85.4 116.9,85.412 117.35,85.412 144.4,85.4 154.9,85.412 155.35,85.412 45.725,85.425 120.55,85.45 122.75,85.45 158.55,85.45 160.75,85.45 109,85.5 147,85.5 125.44,85.625 128.04,85.625 163.44,85.625 166.04,85.625 105.5,85.9 143.5,85.9 120.55,86.05 122.75,86.05 158.55,86.05 160.75,86.05 125.25,86.625 163.25,86.625 165.925,86.675 120.55,86.7 122.75,86.7 158.55,86.7 160.75,86.7 128.025,86.775 103.3,86.9 142.975,87 141.25,87.125 162.55,87.275 124.575,87.325 123.575,87.5 161.575,87.5 120.575,87.525 158.575,87.525 119.45,87.55 157.45,87.55 156.525,87.6 118.4,87.625 59.4,87.725 60.725,87.725 61.75,87.725 102.3,87.8 140.3,87.8 165.65,87.8 127.775,87.85 105.4,87.9 143.4,87.9 155.675,87.9 117.6,87.95 45.075,88.475 45.8,88.475 107,88.5 145,88.5 107.9,88.7 145.925,88.725 127.1,88.75 165.1,88.75 102,89 105,89 140,89 143,89 77.9,89.175 88.85,89.25 42.7,89.45 164.275,89.525 126.3,89.55 84.425,89.575 85.625,89.85 9.5,90 102,90 104.5,90 140,90 142.5,90 163.175,90.125 88.05,90.175 49.1,90.25 125.275,90.25 162.05,90.375 119.825,90.425 120.95,90.425 121.95,90.425 122.95,90.425 157.825,90.425 158.95,90.425 159.95,90.425 160.95,90.425 124.05,90.45 35.1,90.65 104.5,91 142.5,91 118.925,91.05 156.925,91.05 116.275,91.1 154.275,91.1 15.425,91.15 10.55,91.225 35.963,91.262 104.5,92 116.075,92.013 118.675,92.013 142.5,92 154.075,92.013 156.675,92.013 15.425,92.15 2.6,92.2 49.05,92.4 108.665,92.438 110.215,92.438 146.665,92.438 148.215,92.438 108.665,92.888 110.215,92.888 146.665,92.888 148.215,92.888 116.075,93.013 118.675,93.013 154.075,93.013 156.675,93.013 15.425,93.15 116.75,93.925 154.75,93.925 15.425,94.15 74.35,94.65 81.4,94.675 88.175,94.7 104.688,94.975 105.688,94.975 106.688,94.975 107.688,94.975 108.687,94.975 109.687,94.975 110.687,94.975 111.687,94.975 112.687,94.975 113.687,94.975 114.687,94.975 115.687,94.975 116.687,94.975 142.688,94.975 143.688,94.975 144.688,94.975 145.687,94.975 146.687,94.975 147.687,94.975 148.687,94.975 149.687,94.975 150.687,94.975 151.687,94.975 152.687,94.975 153.687,94.975 154.687,94.975 100.5,95 138.5,95 15.425,95.15 124.9,95.6 162.9,95.6 100.5,96 103.1,96 138.5,96 141.1,96 15.425,96.15 122.6,96.5 160.6,96.5 2.525,96.625 125,96.825 163,96.825 118.575,96.975 156.575,96.975 100.5,97 103.1,97 138.5,97 141.1,97 141.725,97.1 121.475,97.125 159.475,97.125 15.425,97.15 16.425,97.15 17.425,97.15 18.425,97.15 19.425,97.15 20.425,97.15 21.425,97.15 22.425,97.15 23.425,97.15 103.675,97.175 117.687,97.425 155.687,97.425 81.125,97.475 104.688,97.575 105.688,97.575 106.688,97.575 107.688,97.575 108.687,97.575 109.687,97.575 110.687,97.575 111.687,97.575 112.687,97.575 113.687,97.575 114.687,97.575 115.687,97.575 116.687,97.575 142.688,97.575 143.688,97.575 144.688,97.575 145.687,97.575 146.687,97.575 147.687,97.575 148.687,97.575 149.687,97.575 150.687,97.575 151.687,97.575 152.687,97.575 153.687,97.575 154.687,97.575 120.225,97.75 158.075,97.75 100.5,98 103.1,98 138.5,98 141.1,98 124.775,98.075 162.775,98.075 85.625,98.125 53.825,98.3 119.65,98.9 123.975,98.9 157.65,98.9 161.975,98.9 100.5,99 103.1,99 138.5,99 141.1,99 122.7,99.25 160.7,99.25 100.5,100 103.1,100 138.5,100 141.1,100 122.1,100.125 160.1,100.125 84.325,100.375 100.5,101 103.1,101 138.5,101 141.1,101 50.45,101.1 119.5,101.125 122.1,101.125 157.5,101.125 160.1,101.125 50.6,101.7
  other v2: 160.85,13.55 161.95,13.55 160.85,14.65 161.95,14.65 151.45,27.8 152.55,27.8 151.45,28.9 152.55,28.9 43.2,39.6 43.2,40.45 43.2,41.3 45.325,60.475 45.325,61.325 45.325,62.175
GNDE1: C190.1 FR12.2 IC41.6 IC41.8 IC41.9 IC41.10 IC41.PAD R196.1 R199.1 R202.2 R208.2 | length 40.4
  Bottom w0.4: IC41.PAD@31.775,76.125 IC41.6@34.454,76.125
  Bottom w3: IC41.PAD@31.45,76.45 31.45,73.8 33.325,71.925 41.45,71.925 ; 41.45,71.95 47.025,77.525 52.65,77.525 57.9,82.775 57.9,85 58.7,85.8
  other v1: 38.75,76.5 39.225,76.5 38.55,78.775 39.025,78.775
GNDE2: AT1.3 C188.1 C189.2 C192.2 C200.1 C201.1 C202.2 C203.2 C205.1 IC41.7 IC41.14 IC41.19 R213.1 R214.1 T1.5 VT4.3 | length 35.6
  Bottom w0.4: C192.2@25.425,73.2 25.691,73.466 25.691,73.691 27.475,75.475 IC41.14@28.446,75.475 ; C205.1@26.75,80.6 26.75,79.55 27.575,78.725 IC41.19@28.446,78.725 ; IC41.7@34.454,75.475 v1(36.875,75.475) v1(37.825,75.475)
  Bottom w0.6: C200.1@23.625,76.4 23.15,76.4 22.225,77.325 C201.1@22.225,78.5 22.225,78.725 22.775,79.275 25.15,79.275 26.384,80.509 26.659,80.509 C205.1@26.75,80.6
  Bottom w1: VT4.3@24.125,86.9 24.125,91.514 24.711,92.1 24.9,92.1 25.2,92.4 R214.1@25.2,93.425 ; C205.1@26.75,80.6 26.75,81.125 29.75,84.125 C188.1@34.5,84.125
  other v1: 22,71.875 22.75,71.875 23.5,71.875 22,72.625 22.75,72.625 23.5,72.625 22,73.375 22.75,73.375 23.5,73.375 37.35,75.475 15.675,76.575 19.65,76.575 15.675,77.2 19.65,77.2 15.675,77.825 19.65,77.825 15.675,78.45 19.65,78.45 28.95,91.7 28.95,92.325 24,92.825 26.4,92.825 24,93.45 26.4,93.45 24,94.075 26.4,94.075 24,94.7 26.4,94.7
HDMI0_CEC: J2.51 J12.13 | length 84.4
  Top w0.2: v1(81.491,39.175) 81.091,39.575 81.091,40.441 81.775,41.125 82.45,41.125 87.1,45.775 J2.51@88.085,45.775
  L3 w0.1: J12.13@15.136,49.898 15.614,49.42 15.614,47.403 20.042,42.975 30.7,42.975 36.625,37.05 60.424,37.05 62.274,38.9 81.216,38.9 v1(81.491,39.175) v1@81.5,39.175
HDMI0_CLK_N: J2.90 J12.12 | length 90.8
  Top w0.2: J2.90@91.165,38.175 91.95,38.175 v1(92.05,38.075)
  L3 w0.1: J12.12@14.558,50.898 14.08,51.376 14.08,51.68 14.375,51.975 17.9,51.975 22.275,47.6 22.275,46.4 23.65,45.025 34.115,45.025 ccw(c34.115,45.485) 34.575,45.485 34.575,46.797 cw(c34.835,46.797) 34.835,47.057 34.915,47.057 cw(c34.915,46.797) 35.175,46.797 35.175,45.485 ccw(c35.635,45.485) 35.635,45.025 44.917,45.025 48.967,40.975 87.517,40.975 88.617,39.875 89.55,39.875 89.925,40.25 90.525,40.25 90.934,39.841 91.25,39.525 91.25,38.575 91.55,38.275 91.841,38.275 92.041,38.075 v1(92.05,38.075)
HDMI0_CLK_P: J2.88 J12.10 | length 91.1
  Top w0.2: J2.88@91.165,38.575 91.95,38.575 v1(92.05,38.675)
  L3 w0.1: J12.10@13.402,50.898 13.88,51.376 13.88,51.763 14.292,52.175 17.983,52.175 22.475,47.683 22.475,46.483 23.733,45.225 34.115,45.225 ccw(c34.115,45.485) 34.375,45.485 34.375,46.797 cw(c34.835,46.797) 34.835,47.257 34.915,47.257 cw(c34.915,46.797) 35.375,46.797 35.375,45.485 ccw(c35.635,45.485) 35.635,45.225 45,45.225 49.05,41.175 87.6,41.175 88.7,40.075 89.467,40.075 89.842,40.45 90.608,40.45 91.075,39.983 91.45,39.608 91.45,38.658 91.633,38.475 91.841,38.475 92.041,38.675 v1(92.05,38.675)
HDMI0_D0_N: J2.84 J12.9 | length 90.1
  Top w0.2: v1(90.28,39.275) 90.38,39.375 J2.84@91.165,39.375
  L3 w0.1: J12.9@12.824,49.898 12.346,49.42 12.346,48.987 18.908,42.425 30,42.425 35.875,36.55 60.267,36.55 62.392,38.675 81.542,38.675 83.292,40.425 83.767,40.425 84.017,40.675 84.523,40.675 84.748,40.45 85.311,40.45 85.536,40.675 86.042,40.675 86.292,40.425 87.6,40.425 88.6,39.425 89.233,39.425 90.258,38.4 90.7,38.4 90.825,38.525 90.825,39.375 90.725,39.475 90.489,39.475 90.289,39.275 v1(90.28,39.275)